# Altium PCB Carte_Mere_light.PcbDoc (part 1 of 3)
Units mm, origin at the board's own origin, x right, y up, seen from the top; angles counter-clockwise.
Board outline 100 x 70 mm, 4 copper layers (Top Copper, Ground Plane, Power Plane, Bottom Copper), stack 1.57 mm thick; 52 components, 347 nets, 458 pads, 0 vias.
Unrouted connection lines stored in the file: 262.
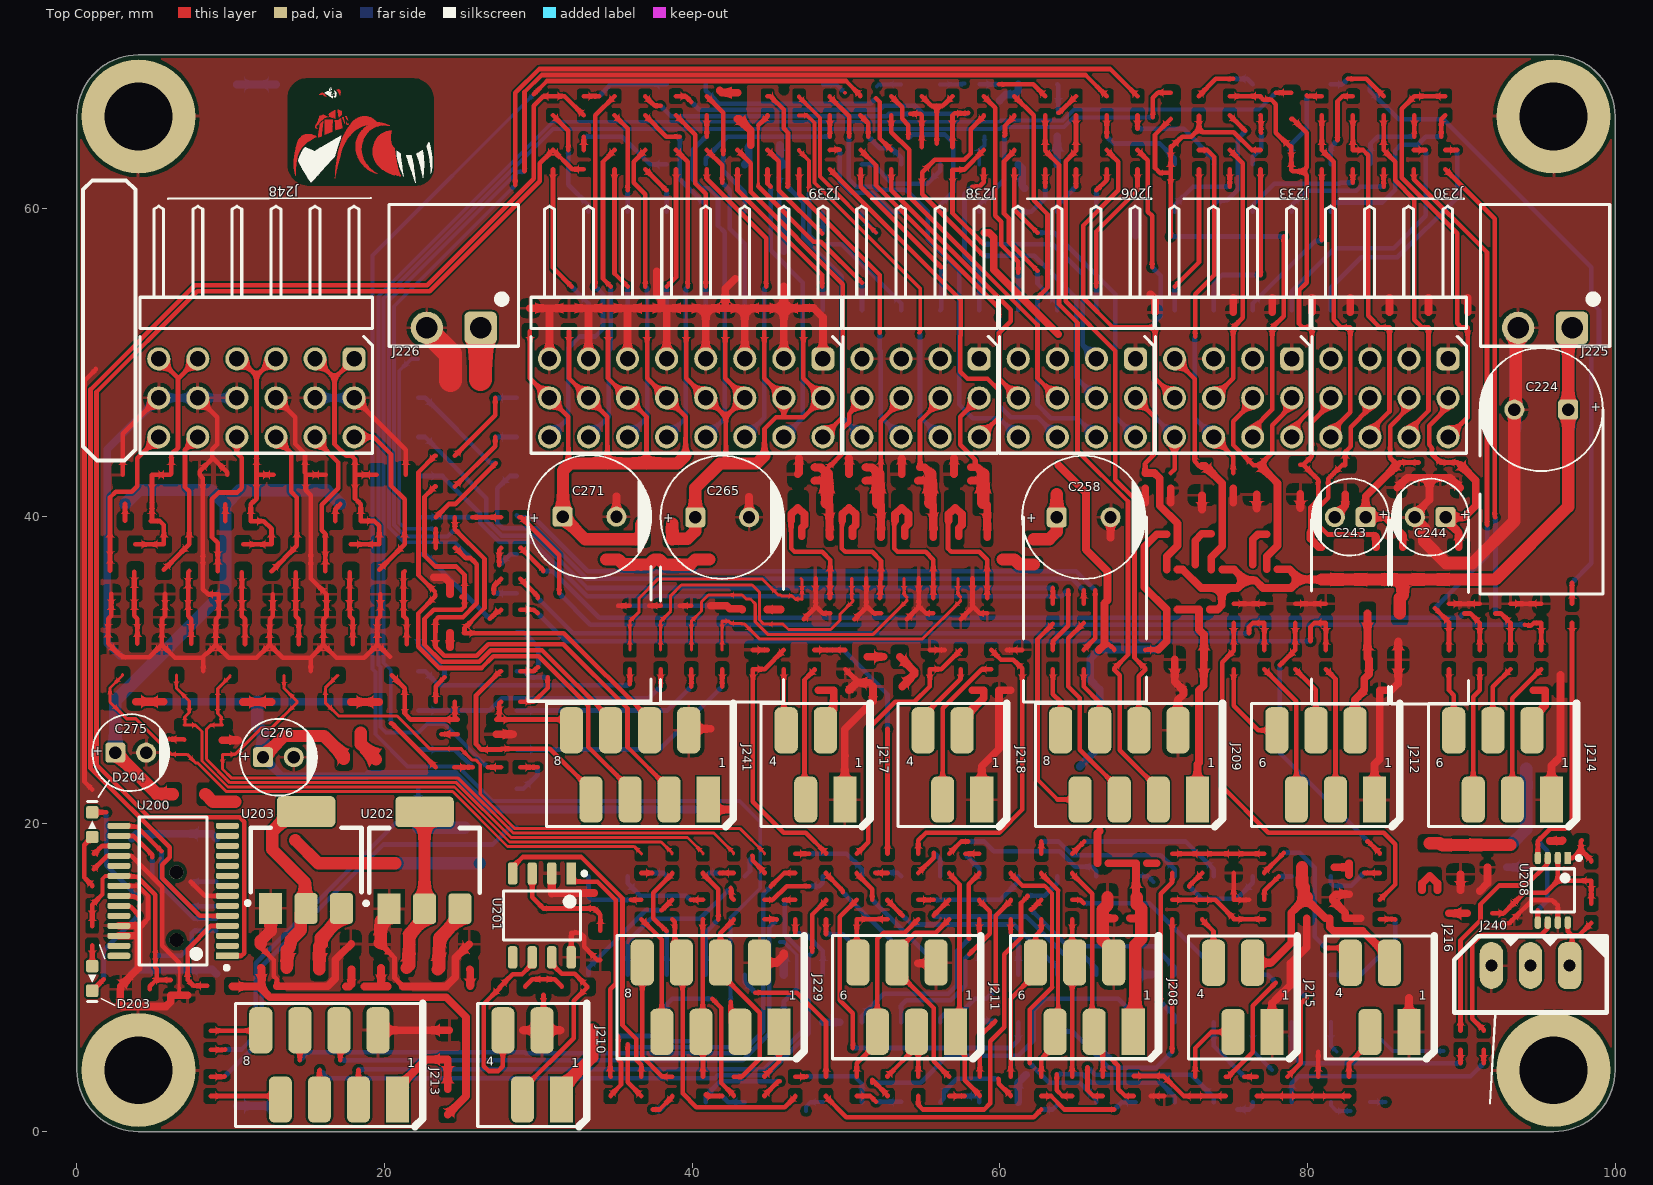
[diagram p0: Top Copper view]
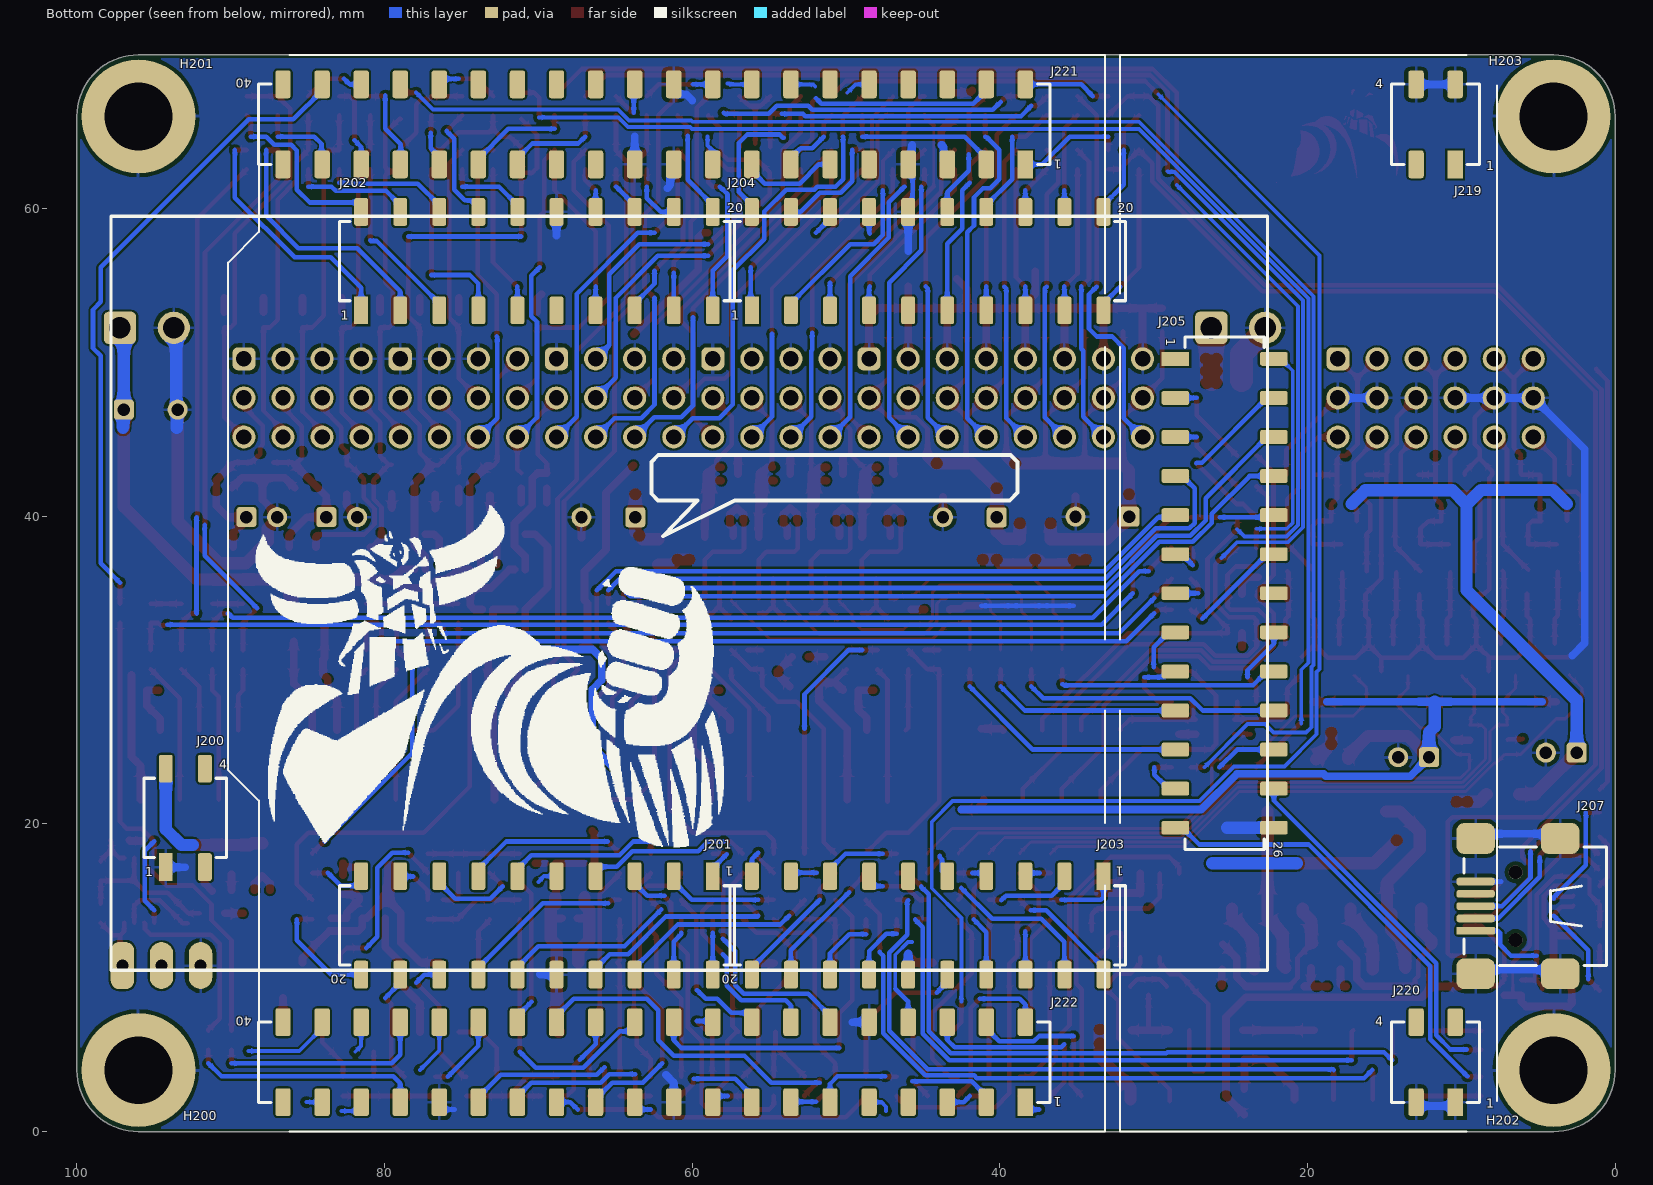
[diagram p1: Bottom Copper view, seen from below]
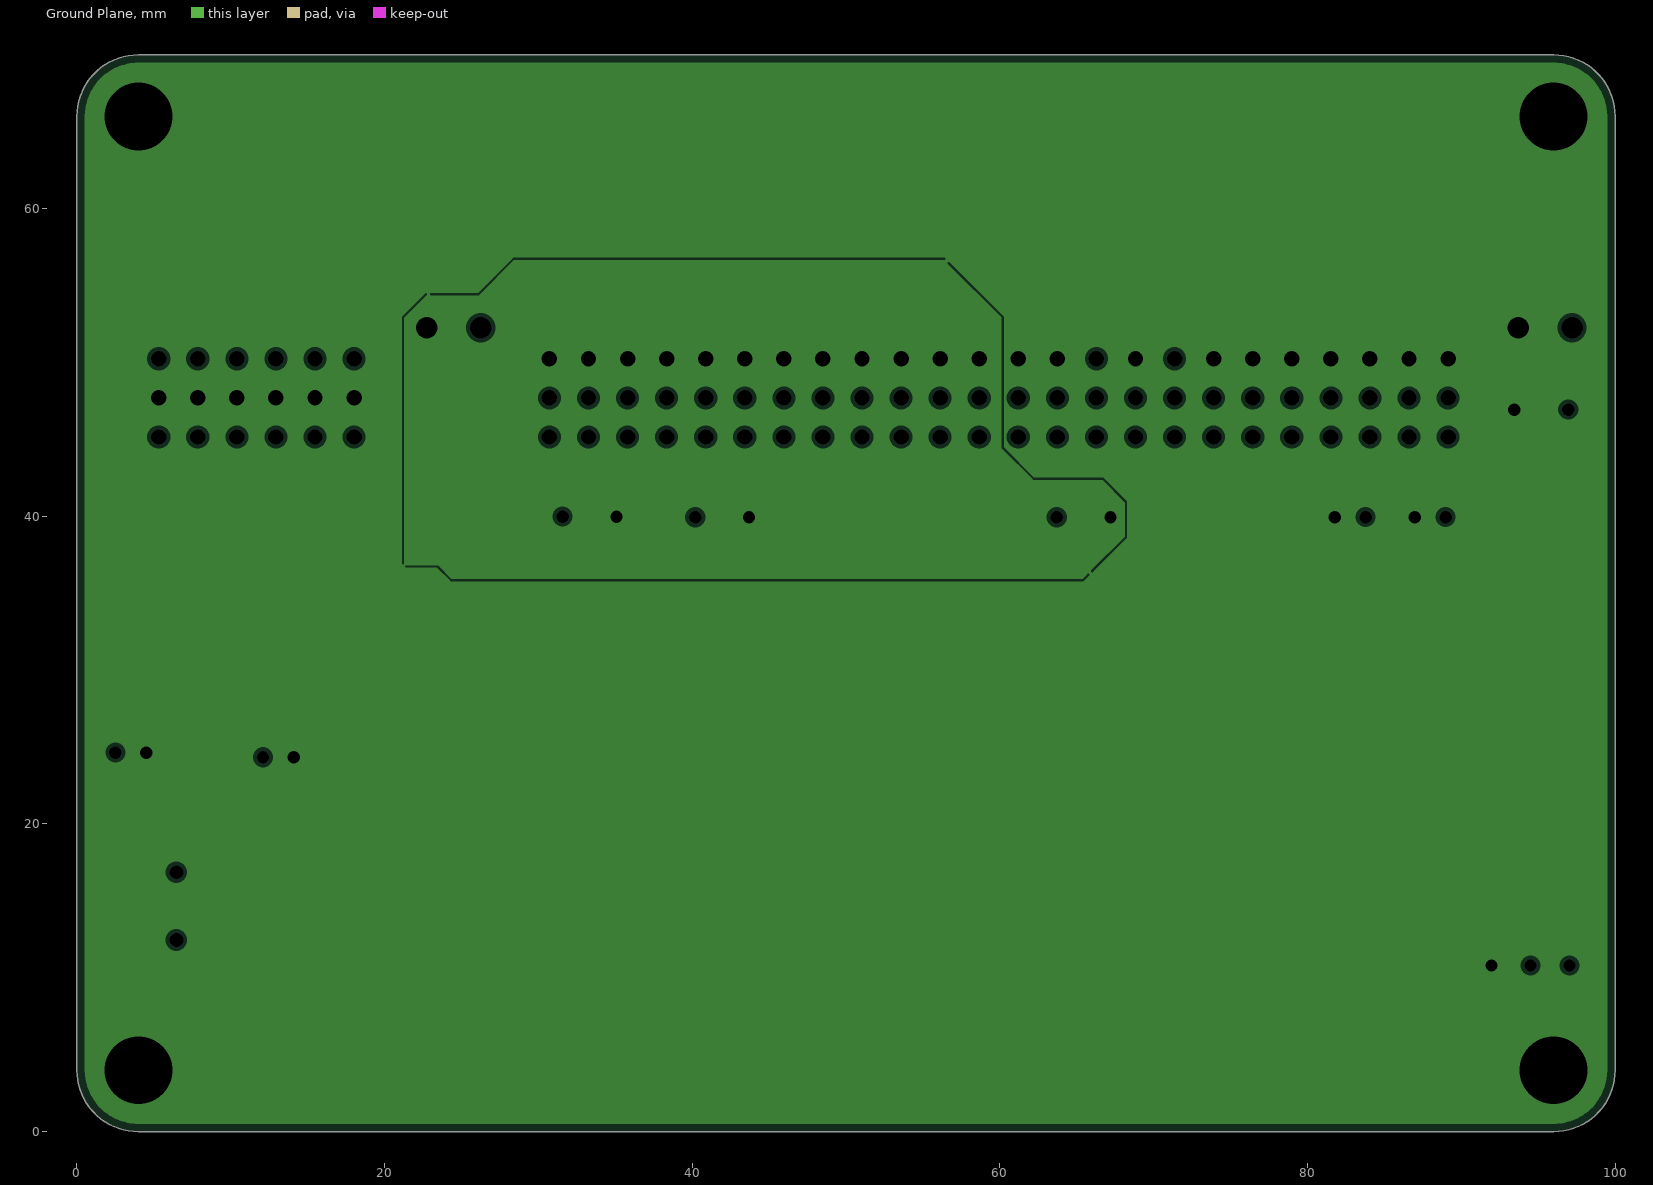
[diagram p2: Ground Plane, clearances drawn from the general rule]
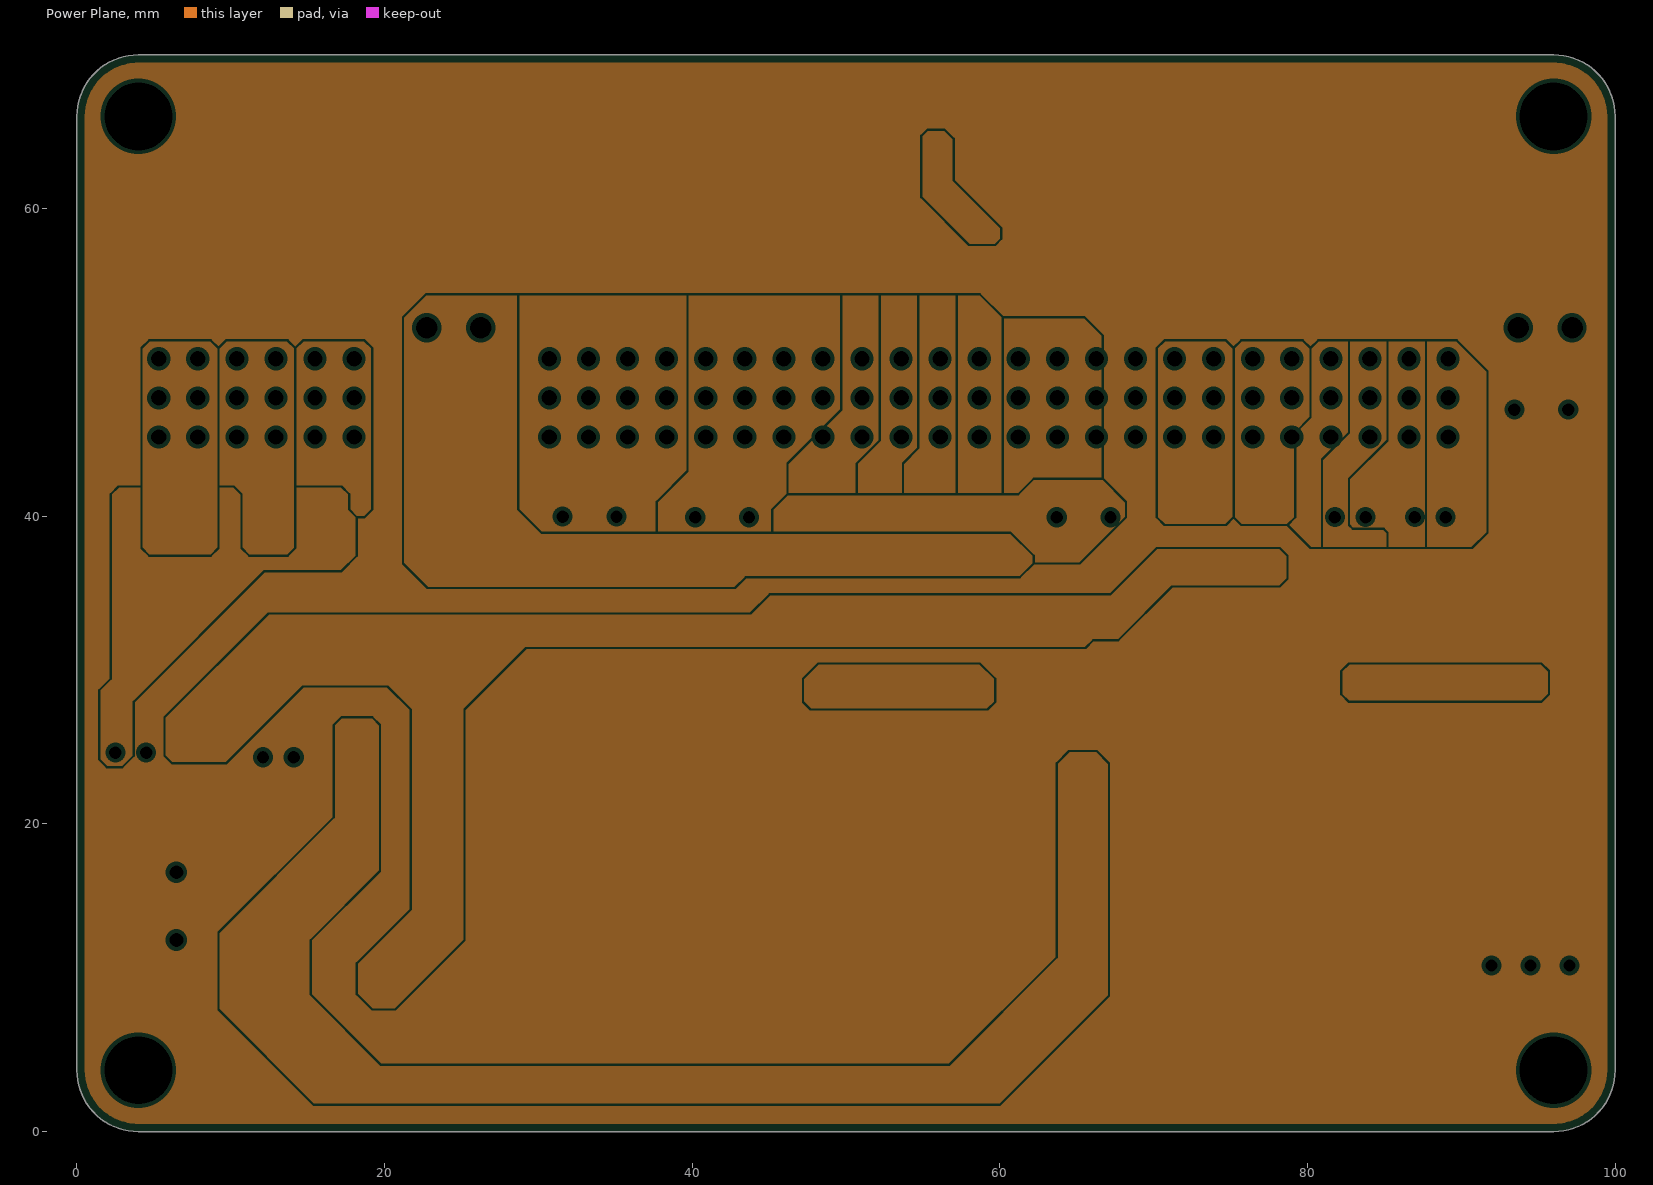
[diagram p3: Power Plane, clearances drawn from the general rule]
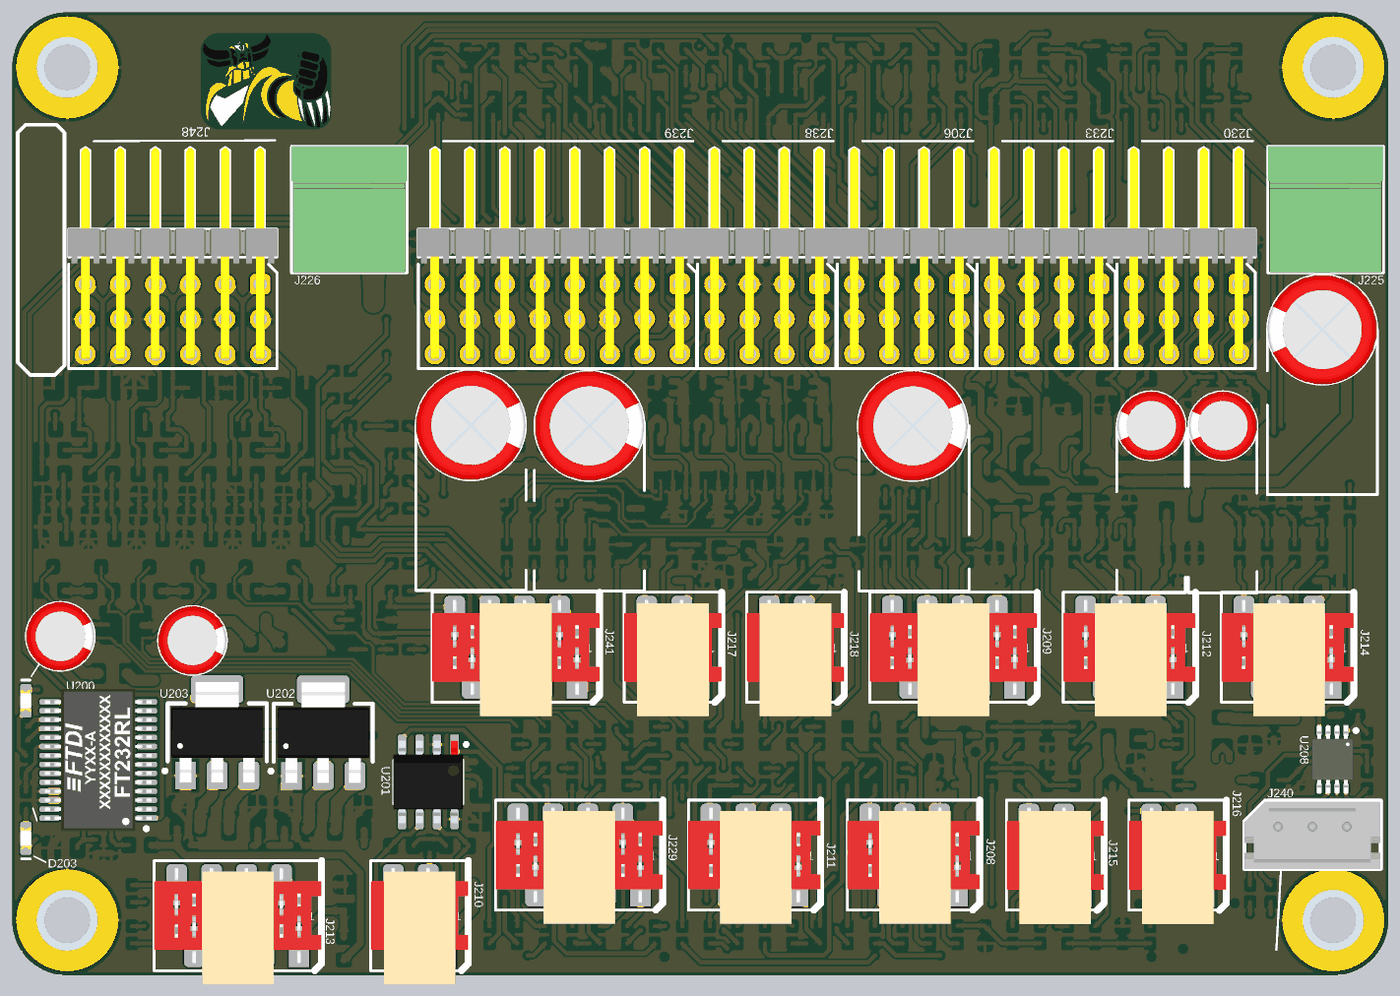
[diagram p6: 3D render of the assembled board from above, using the file's embedded part models]
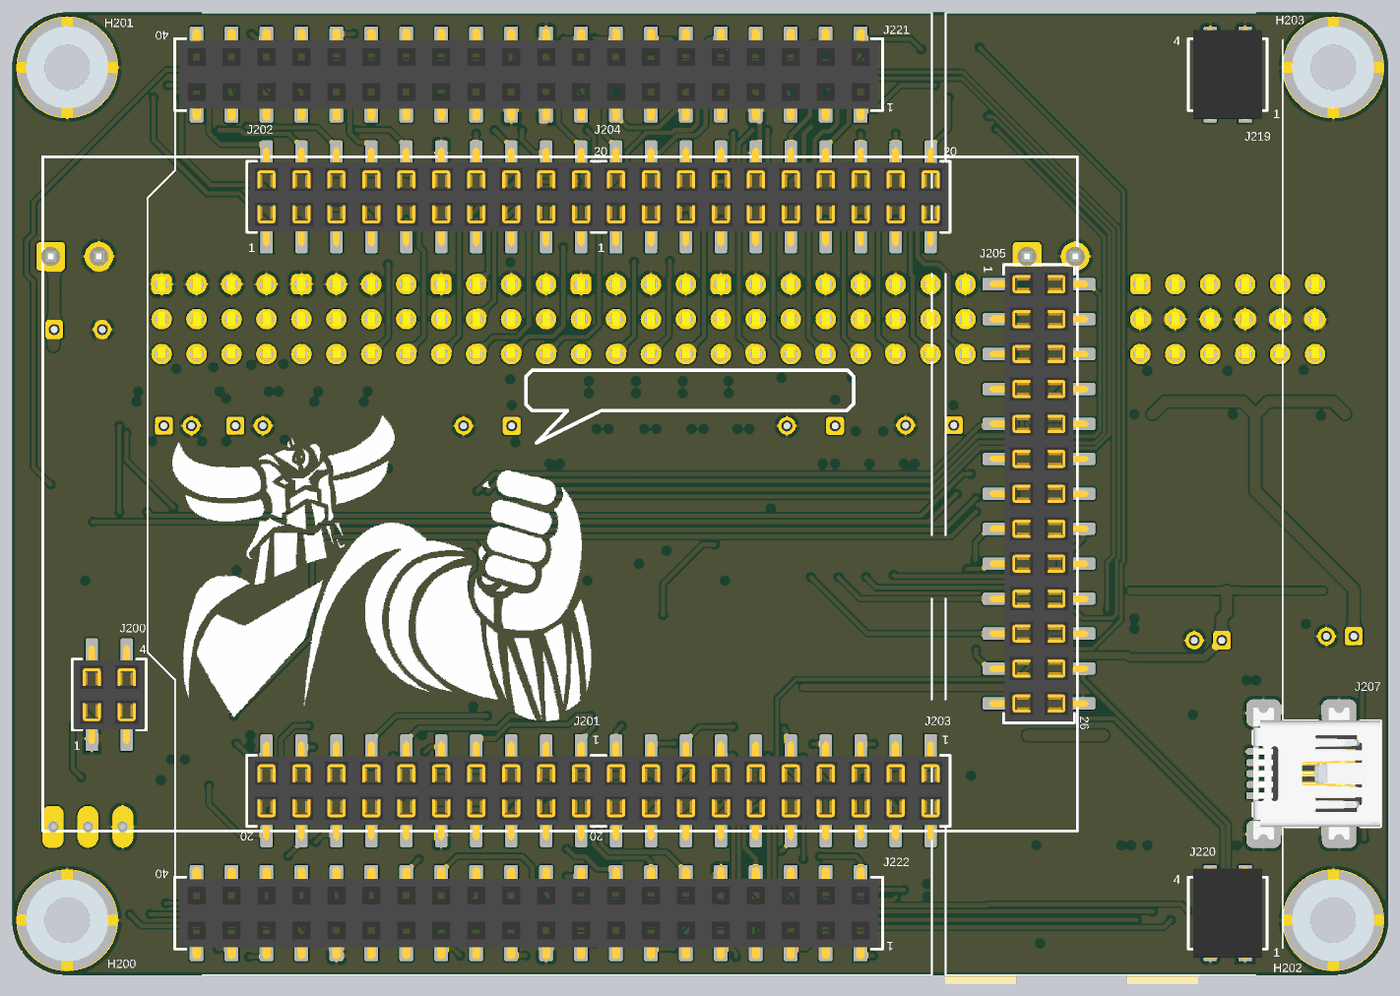
[diagram p7: 3D render of the assembled board from below, using the file's embedded part models]

## Layer stack, top to bottom
Top Mask: solder mask 0.015, Solder Resist, Dk 3.8
Top Copper: signal copper 0.035
Dielectric 1: prepreg 0.2, 7628, Dk 4.6
Ground Plane: plane copper 0.0175, net GND
Core: core 1.065, FR-4, Dk 4.5
Power Plane: plane copper 0.0175, net (Multiple Nets)
Dielectric 2: prepreg 0.2, 7628, Dk 4.6
Bottom Copper: signal copper 0.035
Bottom Mask: solder mask 0.015, Solder Resist, Dk 3.8

## Board outline
4,0 cw(c4,4) 0,4 0,66 cw(c4,66) 4,70 96,70 cw(c96,66) 100,66 100,4 cw(c96,4) 96,0

## Design rules (kind name [scope] priority, off if disabled: settings)
AssemblyTestPointUsage [All] p1 off:
AssemblyTestpoint [All] p1 off: testpointundercomponent=TRUE minsize=1.016 maxsize=2.54 preferedsize=1.524 minholesize=0 maxholesize=1.016 preferedholesize=0.813 testpointgrid=0.025 usegrid=TRUE gridtolerance=0 allowsidetop=TRUE allowsidebottom=TRUE
BoardOutlineClearance [All] p1: gap=0.2 ignorepadtopadclearanceinfootprint=FALSE
Clearance Clearance_Outer_layer [OnOutside] p1: gap=0.127 ignorepadtopadclearanceinfootprint=FALSE except(0.09: Arc-Arc Arc-Track Track-Track; 0.2: Arc-SMDPad Track-SMDPad; 0.254: Arc-Hole Track-Hole SMDPad-Hole THPad-Hole Via-Hole Fill-Hole Poly-Hole Region-Hole Text-Hole; 0.33: Arc-THPad Track-THPad SMDPad-THPad; 0.54: THPad-THPad)
Clearance Clearance_Inner_layer [not OnOutside] p2: gap=0.127 ignorepadtopadclearanceinfootprint=FALSE except(0.2: Arc-SMDPad Track-SMDPad; 0.254: Arc-Hole Track-Hole SMDPad-Hole THPad-Hole Via-Hole Fill-Hole Poly-Hole Region-Hole Text-Hole; 0.33: Arc-THPad Track-THPad SMDPad-THPad; 0.54: THPad-THPad)
ComponentClearance [IsComponent and (not (InComponent('J202') or InComponent('J204'))) vs IsComponent and (not (InComponent('J201') or InComponent('J203')))] p1: gap=0.2 collisioncheckmode=3 verticalgap=2540 showdistances=FALSE
DiffPairsRouting [All] p1 off: maxlimit=0.254 minlimit=0.254 mostfreqgap=0.254 toplayer_minwidth=0.381 toplayer_maxwidth=0.381 toplayer_prefwidth=0.381 bottomlayer_minwidth=0.381 bottomlayer_maxwidth=0.381 bottomlayer_prefwidth=0.381 maxuncoupledlength=12.7
FabricationTestPointUsage TestPointUsage [All] p1 off: valid=0 allowmultiple=FALSE
FabricationTestpoint Testpoint [All] p1 off: side=3 testpointundercomponent=TRUE minsize=1.016 maxsize=2.54 preferedsize=1.524 minholesize=0 maxholesize=1.016 preferedholesize=0.813 testpointgrid=0.025 allowsidetop=TRUE allowsidebottom=TRUE usegrid=TRUE gridtolerance=0
FanoutControl Fanout_BGA [IsBGA] p1 off: bgadir=Out bgaviamode=Centered fanoutstyle=Auto fanoutdirection=Alternating viagrid=0.025 // Fanout_BGA (Default Rule)
FanoutControl Fanout_LCC [IsLCC] p2 off: bgadir=Out bgaviamode=Centered fanoutstyle=Auto fanoutdirection=Alternating viagrid=0.025 // Fanout_LCC (Default Rule)
FanoutControl Fanout_SOIC [IsSOIC] p3 off: bgadir=Out bgaviamode=Centered fanoutstyle=Auto fanoutdirection=Alternating viagrid=0.025 // Fanout_SOIC (Default Rule)
FanoutControl Fanout_Small [(CompPinCount < 5)] p4 off: bgadir=Out bgaviamode=Centered fanoutstyle=Auto fanoutdirection=OutThenIn viagrid=0.025 // Fanout_Small (Default Rule)
FanoutControl Fanout_Default [All] p5 off: bgadir=Out bgaviamode=Centered fanoutstyle=Auto fanoutdirection=Alternating viagrid=0.025 // Fanout_Default (Default Rule)
HoleSize [All] p1: absolutevalues=TRUE maxlimit=6.3 minlimit=0.2 maxpercent=80.000 minpercent=20.000
HoleToHoleClearance ViaToViaClearance [IsVia vs IsVia] p1: gap=0.254 allowstackedmicrovias=TRUE
HoleToHoleClearance [All] p2: gap=0.54 allowstackedmicrovias=TRUE
MinimumAnnularRing [All] p1: minimumring=0.13
MinimumSolderMaskSliver [All] p1: minsoldermaskwidth=0.075
NetAntennae NetAntenna [All] p1: netantennaetolerance=0
PlaneClearance [All] p1: clearance=0.254
PlaneConnect [All] p1: planeconnectstyle=Direct reliefexpansion=0.3 reliefentries=4 reliefconductorwidth=0.3 reliefairgap=0.2
PolygonConnect [All] p1: thpad.connectstyle=Relief thpad.reliefconductorwidth=0.2 thpad.reliefentries=4 thpad.polygonreliefangle="90 Angle" thpad.airgapwidth=0.254 smdpad.connectstyle=Relief smdpad.reliefconductorwidth=0.2 smdpad.reliefentries=4 smdpad.polygonreliefangle="90 Angle" smdpad.airgapwidth=0.254 via.connectstyle=Direct via.reliefconductorwidth=0.2 via.reliefentries=4 via.polygonreliefangle="90 Angle" via.airgapwidth=0.254
RoutingVias [All] p1: holewidth=0.2 width=0.5 viastyle="Through Hole" minholewidth=0.2 minwidth=0.45 maxholewidth=0.3 maxwidth=0.9
SMDEntry [All] p1: side=TRUE corner=TRUE anyangle=TRUE
SilkToSilkClearance [All] p1 off: silktosilkclearance=0.15
SilkToSolderMaskClearance [IsPad] p1: minsilkscreentomaskgap=0.15 clearancetoexposedcopper=TRUE
SolderMaskExpansion [All] p1: expansion=0.05 istentingtop=FALSE
Width Width_Outer_Layer [OnLayer('Component Side') or OnLayer('Solder Side')] p1: maxlimit=3 minlimit=0.09 preferedwidth=0.15
Width Width_Inner_Layer [All] p2: maxlimit=3 minlimit=0.127 preferedwidth=0.15
11 further rules are at their usual default settings.

## Classes and differential pairs
net class NET_ANALOG: ADC_IN_1 ADC_IN_2 ANALOG_IN0 ANALOG_IN1 ANALOG_IN2 ANALOG_IN3 ANALOG_IN4 ANALOG_IN5 ANALOG_IN6 ANALOG_IN7 MOT1_CS MOT2_CS Servo_Curr_1 Servo_Curr_2 Servo_Curr_3 Servo_Curr_4
net class NET_POWER: 3L 3L_ADC 3L_CAP 3L_FT232 3L_MOT 5L 5L_CAP 5L_DE0 5L_DYNA 5L_ENC_PROP 5L_EXT_1 5L_EXT_2 5L_EXT_3 5L_EXT_4 5L_QEI_MOT 5L_QEI_PROP 5P 5P_SERVO_B 5P_SERVO_C +3V3 +5V CAP_#A CAP_#B CAP_#C E5V GND PWR_Servo_1 PWR_Servo_2 PWR_Servo_3 PWR_Servo_4 U5V VBAT VCC_EXT_1 VCC_EXT_2 VDD VIN VUSB
net class USB: 3L 3L_FT232 3V3_FT232 FT232_Rx FT232_Tx GND GPIO_032_D12 GPIO_033_B12 NetD203_1 NetD203_2 NetD204_1 NetD204_2 NetJ207_4 NetU200_2 NetU200_3 NetU200_6 NetU200_9 NetU200_10 NetU200_11 NetU200_12 NetU200_13 NetU200_14 NetU200_19 NetU200_27 NetU200_28 PC10 PC11 USB_N USB_P VUSB
net class CAPT_TOF: 5L GND GPIO_011_A6 GPIO_013_D6 GPIO_21_B16 GPIO_22_C14 GPIO_23_C16 GPIO_24_C15 I2C1_SCL I2C1_SDA PA15 PB7 ToF_DS_1 ToF_DS_2 ToF_DS_3 ToF_DS_4
net class SERVO: 5P 5P_SERVO_B 5P_SERVO_C GND GPIO_022_F9 GPIO_023_E9 GPIO_024_C9 GPIO_025_D9 GPIO_028_C11 GPIO_029_B11 GPIO_030_A12 GPIO_031_D11 Servo_5 Servo_6 Servo_7 Servo_8 Servo_9 Servo_10 Servo_11 Servo_12
net class SERVO_SENSE: 5P 5P_SERVO_A GND GPIO_018_E7 GPIO_019_D8 GPIO_020_E8 GPIO_021_F8 PWR_Servo_1 PWR_Servo_2 PWR_Servo_3 PWR_Servo_4 Servo_1 Servo_2 Servo_3 Servo_4
net class SERVO_CURR: 5P_SERVO_A ANALOG_IN3 ANALOG_IN5 ANALOG_IN6 ANALOG_IN7 GND PWR_Servo_1 PWR_Servo_2 PWR_Servo_3 PWR_Servo_4 Servo_Curr_1 Servo_Curr_2 Servo_Curr_3 Servo_Curr_4
net class NUCLEO: +3V3 +5V AVDD BOOT0 E5V GND NetJ221_9 NetJ221_25 NetJ221_33 NetJ221_39 NetJ221_40 NetJ222_39 NetJ222_40 NRST PA0 PA1 PA2 PA3 PA4 PA8 PA9 PA10 PA11 PA12 PA13 PA14 PA15 PB0 PB1 PB1_SPARE PB2 PB3 PB4 PB5 PB6 PB7 PB8 PB9 PB10 PB11 PB12 PB13 PB14 PB15 PC0 PC1 PC2 PC3 PC4 PC5 PC6 PC7 PC8 PC9 PC10 PC11 PC12 PC13 PC14 PC15 PD2 PD8 PF0 PF1 PF4 PF5 PF6 PF7 SPI1_MISO SPI1_MOSI SPI1_SCK U5V VBAT VDD VIN
net class MOT_PROP: GND GPIO_118_R16 GPIO_120_P15 GPIO_121_P16 GPIO_122_R14 GPIO_123_N16 PA11 PB6 PB10 PB11 PC7 PROP_DIR1 PROP_DIR2 PROP_EN PROP_S1-Rx PROP_S2-Tx
net class MOT_ACT: 3L_MOT ANALOG_IN0 ANALOG_IN1 GND GPIO_18_T10 GPIO_19_R11 GPIO_110_P11 GPIO_111_R10 MOT1_CS MOT1_DIR MOT1_PWM MOT2_CS MOT2_DIR MOT2_PWM
net class GYRO: 5L GND GPIO_124_N15 GPIO_125_P14 GPIO_126_L14 GPIO_127_N14 PB12 PB13 PB14 PB15 SPI2_CS_1 SPI2_MISO SPI2_MOSI SPI2_SCK
net class GPIO+ADC: 3L_ADC 5L ADC_IN_1 ADC_IN_2 ANALOG_IN2 ANALOG_IN4 EXT_IO_1 EXT_IO_2 EXT_IO_3 EXT_IO_4 EXT_IO_5 EXT_IO_6 EXT_IO_7 EXT_IO_8 EXT_IO_9 EXT_IO_10 GND GPIO_00_D3 GPIO_01_C3 GPIO_02_A2 GPIO_03_A3 GPIO_04_B3 GPIO_05_B4 GPIO_06_A4 GPIO_07_B5 GPIO_08_A5 GPIO_09_D5 PA4 PB0 PC0 PC1 PC2 PF1 VCC_EXT_1 VCC_EXT_2
net class EXT_BUS: 5L FPGA_Rx FPGA_Tx GND GPIO_010_B6 GPIO_012_B7 GPIO_014_A7 GPIO_015_C6 GPIO_016_C8 GPIO_017_E6 GPIO_026_E11 GPIO_027_E10 I2C2_SCL I2C2_SDA PC12 PD2 SPI3_CS_1 SPI3_MISO SPI3_MOSI SPI3_SCK STM_Rx STM_Tx
net class ENC_SSI: 5L 5L_QEI_PROP ENC_M1_CLK1 ENC_M1_CLK2 ENC_M1_DAT1 ENC_M1_DAT2 ENC_M2_CLK1 ENC_M2_CLK2 ENC_M2_DAT1 ENC_M2_DAT2 GND GPIO_0_IN0_A8 GPIO_0_IN1_B8 GPIO_25_D16 GPIO_26_D15 GPIO_27_D14 GPIO_28_F15 GPIO_132_J13 GPIO_133_J14 SSI_M1_CLK1 SSI_M1_CLK2 SSI_M1_DAT1 SSI_M1_DAT2 SSI_M2_CLK1 SSI_M2_CLK2 SSI_M2_DAT1 SSI_M2_DAT2
net class ENC_ODO: 5L 5L_ENC_PROP ENC_P1_A ENC_P1_B ENC_P2_A ENC_P2_B GND GPIO_128_M10 GPIO_129_L13 GPIO_130_J16 GPIO_131_K15 PA8 PA9 PB4 PB5 QEI_P1_A QEI_P1_B QEI_P2_A QEI_P2_B
net class ENC_ACT: 5L 5L_QEI_MOT ENC_M1_A ENC_M1_B ENC_M2_A ENC_M2_B GND GPIO_112_N12 GPIO_113_P9 GPIO_114_N9 GPIO_115_N11 QEI_M1_A QEI_M1_B QEI_M2_A QEI_M2_B
net class DYNAMIXEL: 5L_DYNA DATA_DYNA DYNA_DIR DYNA_RX DYNA_TX GND nDATA_DYNA NetJ240_2 PA10 PC3 PC4